# KiCad board first_keyboard.kicad_pcb (continued)
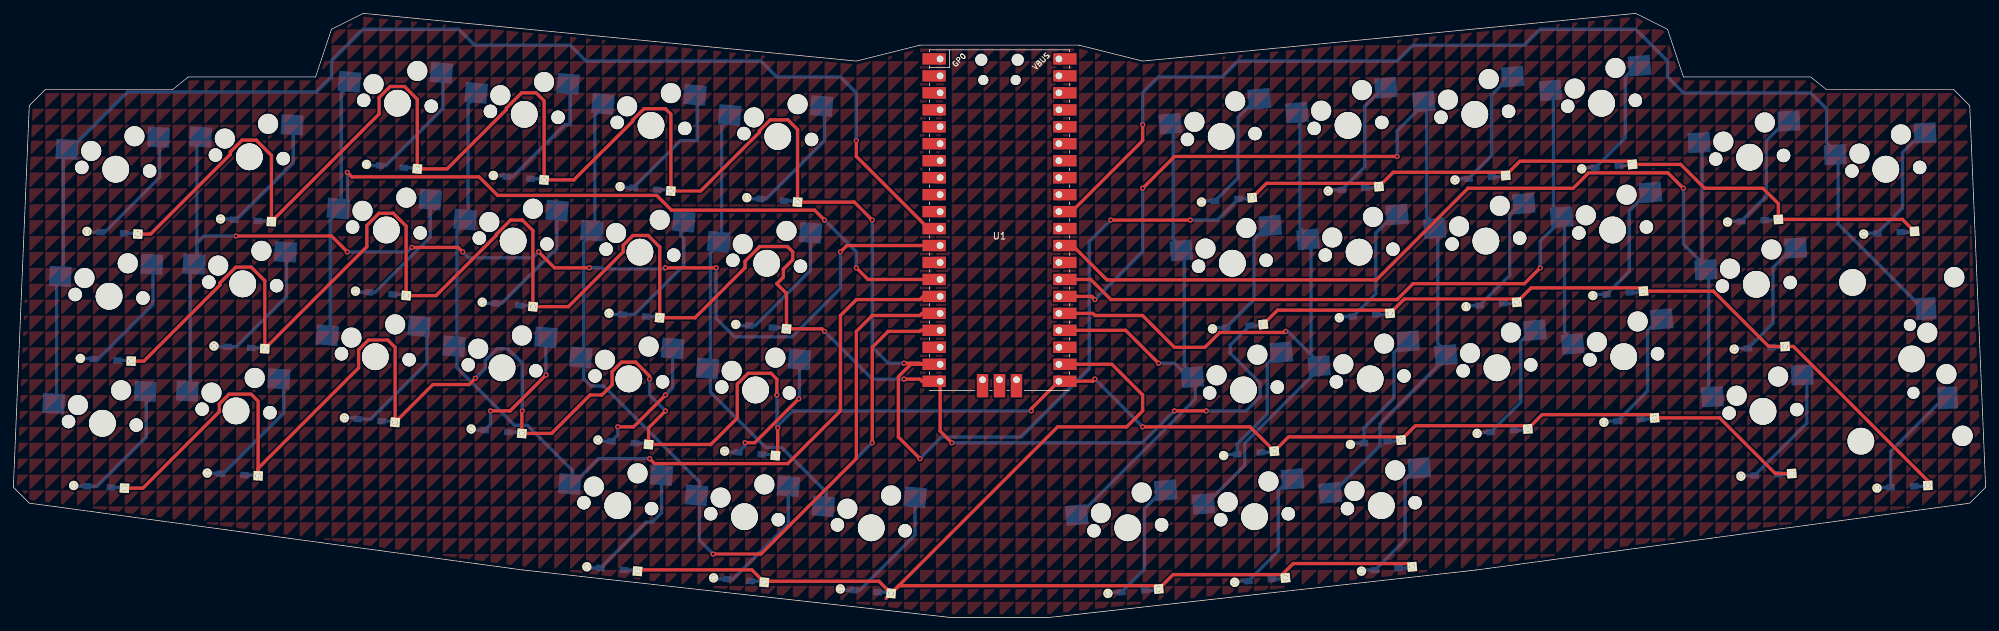
[diagram p0: board, top side]
## Copper pours and planes (outline as drawn; the poured copper is in the pictures) (continued)
(no net) on Top, Bottom: 261.94,138.11 261.94,135.73 264.32,138.11
(no net) on Top, Bottom: 192.88,7.14 192.88,4.76 195.26,7.14
(no net) on Top, Bottom: 145.26,33.34 145.26,30.96 147.64,33.34
(no net) on Top, Bottom: 14.29,14.29 14.29,11.91 16.67,14.29
(no net) on Top, Bottom: 259.56,2.38 259.56,0 261.94,2.38
(no net) on Top, Bottom: 92.87,92.87 92.87,90.49 95.25,92.87
(no net) on Top, Bottom: 85.73,-23.81 85.73,-26.19 88.11,-23.81
(no net) on Top, Bottom: 73.82,-14.29 73.82,-16.67 76.2,-14.29
(no net) on Top, Bottom: 16.67,52.39 16.67,50.01 19.05,52.39
(no net) on Top, Bottom: 223.84,-4.76 223.84,-7.14 226.22,-4.76
(no net) on Top, Bottom: 219.07,7.14 219.07,4.76 221.46,7.14
(no net) on Top, Bottom: 290.51,123.83 290.51,121.44 292.89,123.83
(no net) on Top, Bottom: 54.77,4.76 54.77,2.38 57.15,4.76
(no net) on Top, Bottom: 219.07,-16.67 219.07,-19.05 221.46,-16.67
(no net) on Top, Bottom: 59.53,130.97 59.53,128.59 61.91,130.97
(no net) on Top, Bottom: 295.27,145.26 295.27,142.88 297.66,145.26
(no net) on Top, Bottom: 171.45,-28.57 171.45,-30.96 173.83,-28.57
(no net) on Top, Bottom: 247.65,-9.53 247.65,-11.91 250.03,-9.53
(no net) on Top, Bottom: 145.26,102.39 145.26,100.01 147.64,102.39
(no net) on Top, Bottom: 250.03,116.68 250.03,114.3 252.41,116.68
(no net) on Top, Bottom: 269.08,-4.76 269.08,-7.14 271.46,-4.76
(no net) on Top, Bottom: 35.72,47.62 35.72,45.24 38.1,47.62
(no net) on Top, Bottom: 133.35,80.96 133.35,78.58 135.73,80.96
(no net) on Top, Bottom: 142.88,57.15 142.88,54.77 145.26,57.15
(no net) on Top, Bottom: 42.86,-38.1 42.86,-40.48 45.24,-38.1
(no net) on Top, Bottom: 164.31,23.81 164.31,21.43 166.69,23.81
(no net) on Top, Bottom: 280.99,71.44 280.99,69.06 283.37,71.44
(no net) on Top, Bottom: 152.4,57.15 152.4,54.77 154.78,57.15
(no net) on Top, Bottom: 126.21,-33.34 126.21,-35.72 128.59,-33.34
(no net) on Top, Bottom: 261.94,104.78 261.94,102.39 264.32,104.78
(no net) on Top, Bottom: 114.3,47.62 114.3,45.24 116.68,47.62
(no net) on Top, Bottom: 95.25,85.72 95.25,83.34 97.63,85.72
(no net) on Top, Bottom: 66.67,111.92 66.67,109.54 69.06,111.92
(no net) on Top, Bottom: 9.53,-9.53 9.53,-11.91 11.91,-9.53
(no net) on Top, Bottom: 35.72,111.92 35.72,109.54 38.1,111.92
(no net) on Top, Bottom: 90.49,135.73 90.49,133.35 92.87,135.73
(no net) on Top, Bottom: 73.82,123.83 73.82,121.44 76.2,123.83
(no net) on Top, Bottom: 38.1,88.11 38.1,85.72 40.48,88.11
(no net) on Top, Bottom: 300.04,126.21 300.04,123.83 302.42,126.21
(no net) on Top, Bottom: 159.54,71.44 159.54,69.06 161.93,71.44
(no net) on Top, Bottom: 130.97,66.68 130.97,64.29 133.35,66.68
(no net) on Top, Bottom: 295.27,71.44 295.27,69.06 297.66,71.44
(no net) on Top, Bottom: 285.75,14.29 285.75,11.91 288.13,14.29
(no net) on Top, Bottom: 271.46,80.96 271.46,78.58 273.84,80.96
(no net) on Top, Bottom: 223.84,52.39 223.84,50.01 226.22,52.39
(no net) on Top, Bottom: 302.42,83.34 302.42,80.96 304.8,83.34
(no net) on Top, Bottom: 21.43,66.68 21.43,64.29 23.81,66.68
(no net) on Top, Bottom: 302.42,104.78 302.42,102.39 304.8,104.78
(no net) on Top, Bottom: 64.29,-21.43 64.29,-23.81 66.67,-21.43
(no net) on Top, Bottom: 200.02,7.14 200.02,4.76 202.41,7.14
(no net) on Top, Bottom: 114.3,121.44 114.3,119.06 116.68,121.44
(no net) on Top, Bottom: 145.26,7.14 145.26,4.76 147.64,7.14
(no net) on Top, Bottom: 269.08,4.76 269.08,2.38 271.46,4.76
(no net) on Top, Bottom: 280.99,2.38 280.99,0 283.37,2.38
(no net) on Top, Bottom: 119.06,11.91 119.06,9.53 121.44,11.91
(no net) on Top, Bottom: 195.26,66.68 195.26,64.29 197.64,66.68
(no net) on Top, Bottom: 142.88,123.83 142.88,121.44 145.26,123.83
(no net) on Top, Bottom: 57.15,90.49 57.15,88.11 59.53,90.49
(no net) on Top, Bottom: 111.92,116.68 111.92,114.3 114.3,116.68
(no net) on Top, Bottom: 16.67,21.43 16.67,19.05 19.05,21.43
(no net) on Top, Bottom: 200.02,-38.1 200.02,-40.48 202.41,-38.1
(no net) on Top, Bottom: 133.35,47.62 133.35,45.24 135.73,47.62
(no net) on Top, Bottom: 211.93,85.72 211.93,83.34 214.31,85.72
(no net) on Top, Bottom: 145.26,-33.34 145.26,-35.72 147.64,-33.34
(no net) on Top, Bottom: 97.63,80.96 97.63,78.58 100.01,80.96
(no net) on Top, Bottom: 73.82,90.49 73.82,88.11 76.2,90.49
(no net) on Top, Bottom: 83.34,150.02 83.34,147.64 85.73,150.02
(no net) on Top, Bottom: 102.39,-9.53 102.39,-11.91 104.77,-9.53
(no net) on Top, Bottom: 242.89,7.14 242.89,4.76 245.27,7.14
(no net) on Top, Bottom: 216.69,128.59 216.69,126.21 219.07,128.59
(no net) on Top, Bottom: 100.01,95.25 100.01,92.87 102.39,95.25
(no net) on Top, Bottom: 4.76,-30.96 4.76,-33.34 7.14,-30.96
(no net) on Top, Bottom: 226.22,0 226.22,-2.38 228.6,0
(no net) on Top, Bottom: 292.89,104.78 292.89,102.39 295.27,104.78
(no net) on Top, Bottom: 283.37,-30.96 283.37,-33.34 285.75,-30.96
(no net) on Top, Bottom: 195.26,-4.76 195.26,-7.14 197.64,-4.76
(no net) on Top, Bottom: 209.55,26.19 209.55,23.81 211.93,26.19
(no net) on Top, Bottom: 114.3,147.64 114.3,145.26 116.68,147.64
(no net) on Top, Bottom: 128.59,23.81 128.59,21.43 130.97,23.81
(no net) on Top, Bottom: 245.27,130.97 245.27,128.59 247.65,130.97
(no net) on Top, Bottom: 233.36,-21.43 233.36,-23.81 235.74,-21.43
(no net) on Top, Bottom: 292.89,26.19 292.89,23.81 295.27,26.19
(no net) on Top, Bottom: 130.97,26.19 130.97,23.81 133.35,26.19
(no net) on Top, Bottom: 66.67,-30.96 66.67,-33.34 69.06,-30.96
(no net) on Top, Bottom: 42.86,69.06 42.86,66.68 45.24,69.06
(no net) on Top, Bottom: 2.38,-35.72 2.38,-38.1 4.76,-35.72
(no net) on Top, Bottom: 238.12,111.92 238.12,109.54 240.51,111.92
(no net) on Top, Bottom: 90.49,130.97 90.49,128.59 92.87,130.97
(no net) on Top, Bottom: 259.56,61.91 259.56,59.53 261.94,61.91
(no net) on Top, Bottom: 261.94,16.67 261.94,14.29 264.32,16.67
(no net) on Top, Bottom: 233.36,4.76 233.36,2.38 235.74,4.76
(no net) on Top, Bottom: 276.22,28.57 276.22,26.19 278.61,28.57
(no net) on Top, Bottom: 195.26,61.91 195.26,59.53 197.64,61.91
(no net) on Top, Bottom: 138.11,-11.91 138.11,-14.29 140.49,-11.91
(no net) on Top, Bottom: 150.02,-9.53 150.02,-11.91 152.4,-9.53
(no net) on Top, Bottom: 271.46,4.76 271.46,2.38 273.84,4.76
(no net) on Top, Bottom: 197.64,42.86 197.64,40.48 200.02,42.86
(no net) on Top, Bottom: 126.21,138.11 126.21,135.73 128.59,138.11
(no net) on Top, Bottom: 142.88,47.62 142.88,45.24 145.26,47.62
(no net) on Top, Bottom: 28.58,28.57 28.58,26.19 30.96,28.57
(no net) on Top, Bottom: 266.7,57.15 266.7,54.77 269.08,57.15
(no net) on Top, Bottom: 164.31,0 164.31,-2.38 166.69,0
(no net) on Top, Bottom: 164.31,128.59 164.31,126.21 166.69,128.59
(no net) on Top, Bottom: 123.83,109.54 123.83,107.16 126.21,109.54
(no net) on Top, Bottom: 221.46,19.05 221.46,16.67 223.84,19.05
(no net) on Top, Bottom: 119.06,47.62 119.06,45.24 121.44,47.62
(no net) on Top, Bottom: 171.45,-9.53 171.45,-11.91 173.83,-9.53
(no net) on Top, Bottom: 254.79,142.88 254.79,140.49 257.18,142.88
(no net) on Top, Bottom: 59.53,97.63 59.53,95.25 61.91,97.63
(no net) on Top, Bottom: 238.12,7.14 238.12,4.76 240.51,7.14
(no net) on Top, Bottom: 257.18,64.29 257.18,61.91 259.56,64.29
(no net) on Top, Bottom: 59.53,28.57 59.53,26.19 61.91,28.57
(no net) on Top, Bottom: 83.34,47.62 83.34,45.24 85.73,47.62
(no net) on Top, Bottom: 238.12,92.87 238.12,90.49 240.51,92.87
(no net) on Top, Bottom: 269.08,47.62 269.08,45.24 271.46,47.62
(no net) on Top, Bottom: 104.77,9.53 104.77,7.14 107.16,9.53
(no net) on Top, Bottom: 152.4,145.26 152.4,142.88 154.78,145.26
(no net) on Top, Bottom: 283.37,116.68 283.37,114.3 285.75,116.68
(no net) on Top, Bottom: 19.05,-28.57 19.05,-30.96 21.43,-28.57
(no net) on Top, Bottom: 45.24,66.68 45.24,64.29 47.62,66.68
(no net) on Top, Bottom: 28.58,64.29 28.58,61.91 30.96,64.29
(no net) on Top, Bottom: 216.69,140.49 216.69,138.11 219.07,140.49
(no net) on Top, Bottom: 90.49,119.06 90.49,116.68 92.87,119.06
(no net) on Top, Bottom: 30.96,85.72 30.96,83.34 33.34,85.72
(no net) on Top, Bottom: 97.63,128.59 97.63,126.21 100.01,128.59
(no net) on Top, Bottom: 66.67,35.72 66.67,33.34 69.06,35.72
(no net) on Top, Bottom: 297.66,97.63 297.66,95.25 300.04,97.63
(no net) on Top, Bottom: 138.11,78.58 138.11,76.2 140.49,78.58
(no net) on Top, Bottom: 202.41,142.88 202.41,140.49 204.79,142.88
(no net) on Top, Bottom: 209.55,-2.38 209.55,-4.76 211.93,-2.38
(no net) on Top, Bottom: 285.75,128.59 285.75,126.21 288.13,128.59
(no net) on Top, Bottom: 26.19,90.49 26.19,88.11 28.58,90.49
(no net) on Top, Bottom: 80.96,121.44 80.96,119.06 83.34,121.44
(no net) on Top, Bottom: 283.37,76.2 283.37,73.82 285.75,76.2
(no net) on Top, Bottom: 211.93,111.92 211.93,109.54 214.31,111.92
(no net) on Top, Bottom: 140.49,2.38 140.49,0 142.88,2.38
(no net) on Top, Bottom: 233.36,40.48 233.36,38.1 235.74,40.48
(no net) on Top, Bottom: 245.27,78.58 245.27,76.2 247.65,78.58
(no net) on Top, Bottom: 204.79,61.91 204.79,59.53 207.17,61.91
(no net) on Top, Bottom: 238.12,38.1 238.12,35.72 240.51,38.1
(no net) on Top, Bottom: 180.98,7.14 180.98,4.76 183.36,7.14
(no net) on Top, Bottom: 7.14,57.15 7.14,54.77 9.53,57.15
(no net) on Top, Bottom: 297.66,16.67 297.66,14.29 300.04,16.67
(no net) on Top, Bottom: 261.94,80.96 261.94,78.58 264.32,80.96
(no net) on Top, Bottom: 47.62,133.35 47.62,130.97 50.01,133.35
(no net) on Top, Bottom: 102.39,138.11 102.39,135.73 104.77,138.11
(no net) on Top, Bottom: 276.22,111.92 276.22,109.54 278.61,111.92
(no net) on Top, Bottom: 11.91,-38.1 11.91,-40.48 14.29,-38.1
(no net) on Top, Bottom: 80.96,107.16 80.96,104.78 83.34,107.16
(no net) on Top, Bottom: 273.84,80.96 273.84,78.58 276.22,80.96
(no net) on Top, Bottom: 4.76,-4.76 4.76,-7.14 7.14,-4.76
(no net) on Top, Bottom: 173.83,54.77 173.83,52.39 176.21,54.77
(no net) on Top, Bottom: 166.69,150.02 166.69,147.64 169.07,150.02
(no net) on Top, Bottom: 171.45,66.68 171.45,64.29 173.83,66.68
(no net) on Top, Bottom: 188.12,-28.57 188.12,-30.96 190.5,-28.57
(no net) on Top, Bottom: 135.73,66.68 135.73,64.29 138.11,66.68
(no net) on Top, Bottom: 33.34,57.15 33.34,54.77 35.72,57.15
(no net) on Top, Bottom: 204.79,45.24 204.79,42.86 207.17,45.24
(no net) on Top, Bottom: 300.04,64.29 300.04,61.91 302.42,64.29
(no net) on Top, Bottom: 45.24,92.87 45.24,90.49 47.62,92.87
(no net) on Top, Bottom: 45.24,54.77 45.24,52.39 47.62,54.77
(no net) on Top, Bottom: 190.5,-11.91 190.5,-14.29 192.88,-11.91
(no net) on Top, Bottom: 209.55,107.16 209.55,104.78 211.93,107.16
(no net) on Top, Bottom: 171.45,-35.72 171.45,-38.1 173.83,-35.72
(no net) on Top, Bottom: 123.83,64.29 123.83,61.91 126.21,64.29
(no net) on Top, Bottom: 157.16,-28.57 157.16,-30.96 159.54,-28.57
(no net) on Top, Bottom: 85.73,21.43 85.73,19.05 88.11,21.43
(no net) on Top, Bottom: 19.05,2.38 19.05,0 21.43,2.38
(no net) on Top, Bottom: 242.89,123.83 242.89,121.44 245.27,123.83
(no net) on Top, Bottom: 54.77,150.02 54.77,147.64 57.15,150.02
(no net) on Top, Bottom: 64.29,128.59 64.29,126.21 66.67,128.59
(no net) on Top, Bottom: 252.41,-23.81 252.41,-26.19 254.79,-23.81
(no net) on Top, Bottom: 159.54,100.01 159.54,97.63 161.93,100.01
(no net) on Top, Bottom: 57.15,107.16 57.15,104.78 59.53,107.16
(no net) on Top, Bottom: 216.69,2.38 216.69,0 219.07,2.38
(no net) on Top, Bottom: 90.49,14.29 90.49,11.91 92.87,14.29
(no net) on Top, Bottom: 247.65,-28.57 247.65,-30.96 250.03,-28.57
(no net) on Top, Bottom: 200.02,76.2 200.02,73.82 202.41,76.2
(no net) on Top, Bottom: 40.48,95.25 40.48,92.87 42.86,95.25
(no net) on Top, Bottom: 245.27,100.01 245.27,97.63 247.65,100.01
(no net) on Top, Bottom: 90.49,28.57 90.49,26.19 92.87,28.57
(no net) on Top, Bottom: 223.84,-21.43 223.84,-23.81 226.22,-21.43
(no net) on Top, Bottom: 33.34,35.72 33.34,33.34 35.72,35.72
(no net) on Top, Bottom: 95.25,7.14 95.25,4.76 97.63,7.14
(no net) on Top, Bottom: 19.05,-35.72 19.05,-38.1 21.43,-35.72
(no net) on Top, Bottom: 202.41,-2.38 202.41,-4.76 204.79,-2.38
(no net) on Top, Bottom: 176.21,11.91 176.21,9.53 178.59,11.91
(no net) on Top, Bottom: 152.4,71.44 152.4,69.06 154.78,71.44
(no net) on Top, Bottom: 247.65,73.82 247.65,71.44 250.03,73.82
(no net) on Top, Bottom: 295.27,23.81 295.27,21.43 297.66,23.81
(no net) on Top, Bottom: 288.13,30.96 288.13,28.57 290.51,30.96
(no net) on Top, Bottom: 21.43,54.77 21.43,52.39 23.81,54.77
(no net) on Top, Bottom: 30.96,19.05 30.96,16.67 33.34,19.05
(no net) on Top, Bottom: 45.24,109.54 45.24,107.16 47.62,109.54
(no net) on Top, Bottom: 233.36,-2.38 233.36,-4.76 235.74,-2.38
(no net) on Top, Bottom: 126.21,76.2 126.21,73.82 128.59,76.2
(no net) on Top, Bottom: 88.11,40.48 88.11,38.1 90.49,40.48
(no net) on Top, Bottom: 85.73,109.54 85.73,107.16 88.11,109.54
(no net) on Top, Bottom: 88.11,-7.14 88.11,-9.53 90.49,-7.14
(no net) on Top, Bottom: 252.41,47.62 252.41,45.24 254.79,47.62
(no net) on Top, Bottom: 40.48,14.29 40.48,11.91 42.86,14.29
(no net) on Top, Bottom: 35.72,73.82 35.72,71.44 38.1,73.82
(no net) on Top, Bottom: 30.96,-23.81 30.96,-26.19 33.34,-23.81
(no net) on Top, Bottom: 295.27,61.91 295.27,59.53 297.66,61.91
(no net) on Top, Bottom: 16.67,88.11 16.67,85.72 19.05,88.11
(no net) on Top, Bottom: 54.77,-35.72 54.77,-38.1 57.15,-35.72
(no net) on Top, Bottom: 209.55,-4.76 209.55,-7.14 211.93,-4.76
(no net) on Top, Bottom: 19.05,38.1 19.05,35.72 21.43,38.1
(no net) on Top, Bottom: 152.4,7.14 152.4,4.76 154.78,7.14
(no net) on Top, Bottom: 295.27,69.06 295.27,66.68 297.66,69.06
(no net) on Top, Bottom: 35.72,76.2 35.72,73.82 38.1,76.2
(no net) on Top, Bottom: 202.41,-14.29 202.41,-16.67 204.79,-14.29
(no net) on Top, Bottom: 161.93,88.11 161.93,85.72 164.31,88.11
(no net) on Top, Bottom: 264.32,61.91 264.32,59.53 266.7,61.91
(no net) on Top, Bottom: 102.39,100.01 102.39,97.63 104.77,100.01
(no net) on Top, Bottom: 66.67,-28.57 66.67,-30.96 69.06,-28.57
(no net) on Top, Bottom: 100.01,35.72 100.01,33.34 102.39,35.72
(no net) on Top, Bottom: 111.92,4.76 111.92,2.38 114.3,4.76
(no net) on Top, Bottom: 126.21,19.05 126.21,16.67 128.59,19.05
(no net) on Top, Bottom: 54.77,92.87 54.77,90.49 57.15,92.87
(no net) on Top, Bottom: 269.08,50.01 269.08,47.62 271.46,50.01
(no net) on Top, Bottom: 261.94,57.15 261.94,54.77 264.32,57.15
(no net) on Top, Bottom: 302.42,133.35 302.42,130.97 304.8,133.35
(no net) on Top, Bottom: 161.93,-7.14 161.93,-9.53 164.31,-7.14
(no net) on Top, Bottom: 40.48,78.58 40.48,76.2 42.86,78.58
(no net) on Top, Bottom: 114.3,21.43 114.3,19.05 116.68,21.43
(no net) on Top, Bottom: 157.16,130.97 157.16,128.59 159.54,130.97
(no net) on Top, Bottom: 107.16,76.2 107.16,73.82 109.54,76.2
(no net) on Top, Bottom: 88.11,45.24 88.11,42.86 90.49,45.24
(no net) on Top, Bottom: 135.73,2.38 135.73,0 138.11,2.38
(no net) on Top, Bottom: 235.74,90.49 235.74,88.11 238.12,90.49
(no net) on Top, Bottom: 228.6,150.02 228.6,147.64 230.98,150.02
(no net) on Top, Bottom: 21.43,121.44 21.43,119.06 23.81,121.44
(no net) on Top, Bottom: 240.51,78.58 240.51,76.2 242.89,78.58
(no net) on Top, Bottom: 178.59,92.87 178.59,90.49 180.98,92.87
(no net) on Top, Bottom: 102.39,57.15 102.39,54.77 104.77,57.15
(no net) on Top, Bottom: 50.01,21.43 50.01,19.05 52.39,21.43
(no net) on Top, Bottom: 16.67,40.48 16.67,38.1 19.05,40.48
(no net) on Top, Bottom: 119.06,-33.34 119.06,-35.72 121.44,-33.34
(no net) on Top, Bottom: 202.41,19.05 202.41,16.67 204.79,19.05
(no net) on Top, Bottom: 273.84,-19.05 273.84,-21.43 276.22,-19.05
(no net) on Top, Bottom: 240.51,150.02 240.51,147.64 242.89,150.02
(no net) on Top, Bottom: 171.45,97.63 171.45,95.25 173.83,97.63
(no net) on Top, Bottom: 9.53,14.29 9.53,11.91 11.91,14.29
(no net) on Top, Bottom: 240.51,76.2 240.51,73.82 242.89,76.2
(no net) on Top, Bottom: 169.07,150.02 169.07,147.64 171.45,150.02
(no net) on Top, Bottom: 197.64,7.14 197.64,4.76 200.02,7.14
(no net) on Top, Bottom: 276.22,2.38 276.22,0 278.61,2.38
(no net) on Top, Bottom: 176.21,47.62 176.21,45.24 178.59,47.62
(no net) on Top, Bottom: 92.87,-21.43 92.87,-23.81 95.25,-21.43
(no net) on Top, Bottom: 59.53,135.73 59.53,133.35 61.91,135.73
(no net) on Top, Bottom: 285.75,33.34 285.75,30.96 288.13,33.34
(no net) on Top, Bottom: 140.49,128.59 140.49,126.21 142.88,128.59
(no net) on Top, Bottom: 126.21,7.14 126.21,4.76 128.59,7.14
(no net) on Top, Bottom: 11.91,38.1 11.91,35.72 14.29,38.1
(no net) on Top, Bottom: 38.1,35.72 38.1,33.34 40.48,35.72
(no net) on Top, Bottom: 211.93,121.44 211.93,119.06 214.31,121.44
(no net) on Top, Bottom: 61.91,-23.81 61.91,-26.19 64.29,-23.81
(no net) on Top, Bottom: 264.32,-9.53 264.32,-11.91 266.7,-9.53
(no net) on Top, Bottom: 204.79,80.96 204.79,78.58 207.17,80.96
(no net) on Top, Bottom: 164.31,50.01 164.31,47.62 166.69,50.01
(no net) on Top, Bottom: 304.8,33.34 304.8,30.96 307.18,33.34
(no net) on Top, Bottom: 283.37,71.44 283.37,69.06 285.75,71.44
(no net) on Top, Bottom: 230.98,-23.81 230.98,-26.19 233.36,-23.81
(no net) on Top, Bottom: 297.66,142.88 297.66,140.49 300.04,142.88
(no net) on Top, Bottom: 233.36,47.62 233.36,45.24 235.74,47.62
(no net) on Top, Bottom: 273.84,28.57 273.84,26.19 276.22,28.57
(no net) on Top, Bottom: 164.31,35.72 164.31,33.34 166.69,35.72
(no net) on Top, Bottom: 280.99,64.29 280.99,61.91 283.37,64.29
(no net) on Top, Bottom: 95.25,88.11 95.25,85.72 97.63,88.11
(no net) on Top, Bottom: 135.73,35.72 135.73,33.34 138.11,35.72
(no net) on Top, Bottom: 204.79,-19.05 204.79,-21.43 207.17,-19.05
(no net) on Top, Bottom: 30.96,95.25 30.96,92.87 33.34,95.25
(no net) on Top, Bottom: 169.07,50.01 169.07,47.62 171.45,50.01
(no net) on Top, Bottom: 147.64,102.39 147.64,100.01 150.02,102.39
(no net) on Top, Bottom: 150.02,140.49 150.02,138.11 152.4,140.49
(no net) on Top, Bottom: 292.89,45.24 292.89,42.86 295.27,45.24
(no net) on Top, Bottom: 61.91,66.68 61.91,64.29 64.29,66.68
(no net) on Top, Bottom: 204.79,-30.96 204.79,-33.34 207.17,-30.96
(no net) on Top, Bottom: 157.16,38.1 157.16,35.72 159.54,38.1
(no net) on Top, Bottom: 276.22,4.76 276.22,2.38 278.61,4.76
(no net) on Top, Bottom: 38.1,-14.29 38.1,-16.67 40.48,-14.29
(no net) on Top, Bottom: 159.54,130.97 159.54,128.59 161.93,130.97
(no net) on Top, Bottom: 133.35,-7.14 133.35,-9.53 135.73,-7.14
(no net) on Top, Bottom: 269.08,88.11 269.08,85.72 271.46,88.11
(no net) on Top, Bottom: 38.1,111.92 38.1,109.54 40.48,111.92
(no net) on Top, Bottom: 30.96,64.29 30.96,61.91 33.34,64.29
(no net) on Top, Bottom: 176.21,57.15 176.21,54.77 178.59,57.15
(no net) on Top, Bottom: 73.82,28.57 73.82,26.19 76.2,28.57
(no net) on Top, Bottom: 14.29,-21.43 14.29,-23.81 16.67,-21.43
(no net) on Top, Bottom: 11.91,92.87 11.91,90.49 14.29,92.87
(no net) on Top, Bottom: 235.74,21.43 235.74,19.05 238.12,21.43
(no net) on Top, Bottom: 204.79,-9.53 204.79,-11.91 207.17,-9.53
(no net) on Top, Bottom: 280.99,21.43 280.99,19.05 283.37,21.43
(no net) on Top, Bottom: 245.27,47.62 245.27,45.24 247.65,47.62
(no net) on Top, Bottom: 302.42,54.77 302.42,52.39 304.8,54.77
(no net) on Top, Bottom: 250.03,135.73 250.03,133.35 252.41,135.73
(no net) on Top, Bottom: 204.79,107.16 204.79,104.78 207.17,107.16
(no net) on Top, Bottom: 226.22,-28.57 226.22,-30.96 228.6,-28.57
(no net) on Top, Bottom: 130.97,-28.57 130.97,-30.96 133.35,-28.57
(no net) on Top, Bottom: 128.59,52.39 128.59,50.01 130.97,52.39
(no net) on Top, Bottom: 254.79,16.67 254.79,14.29 257.18,16.67
(no net) on Top, Bottom: 140.49,50.01 140.49,47.62 142.88,50.01
(no net) on Top, Bottom: 66.67,73.82 66.67,71.44 69.06,73.82
(no net) on Top, Bottom: 114.3,107.16 114.3,104.78 116.68,107.16
(no net) on Top, Bottom: 57.15,-4.76 57.15,-7.14 59.53,-4.76
(no net) on Top, Bottom: 40.48,47.62 40.48,45.24 42.86,47.62
(no net) on Top, Bottom: 121.44,38.1 121.44,35.72 123.83,38.1
(no net) on Top, Bottom: 200.02,71.44 200.02,69.06 202.41,71.44
(no net) on Top, Bottom: 209.55,138.11 209.55,135.73 211.93,138.11
(no net) on Top, Bottom: 73.82,54.77 73.82,52.39 76.2,54.77
(no net) on Top, Bottom: 197.64,-11.91 197.64,-14.29 200.02,-11.91
(no net) on Top, Bottom: 80.96,59.53 80.96,57.15 83.34,59.53
(no net) on Top, Bottom: 38.1,40.48 38.1,38.1 40.48,40.48
(no net) on Top, Bottom: 128.59,-28.57 128.59,-30.96 130.97,-28.57
(no net) on Top, Bottom: 95.25,83.34 95.25,80.96 97.63,83.34
(no net) on Top, Bottom: 295.27,111.92 295.27,109.54 297.66,111.92
(no net) on Top, Bottom: 42.86,71.44 42.86,69.06 45.24,71.44
(no net) on Top, Bottom: 228.6,-33.34 228.6,-35.72 230.98,-33.34
(no net) on Top, Bottom: 147.64,88.11 147.64,85.72 150.02,88.11
(no net) on Top, Bottom: 269.08,-7.14 269.08,-9.53 271.46,-7.14
(no net) on Top, Bottom: 33.34,52.39 33.34,50.01 35.72,52.39
(no net) on Top, Bottom: 200.02,80.96 200.02,78.58 202.41,80.96
(no net) on Top, Bottom: 161.93,21.43 161.93,19.05 164.31,21.43
(no net) on Top, Bottom: 128.59,116.68 128.59,114.3 130.97,116.68
(no net) on Top, Bottom: 269.08,133.35 269.08,130.97 271.46,133.35
(no net) on Top, Bottom: 145.26,-9.53 145.26,-11.91 147.64,-9.53
(no net) on Top, Bottom: 102.39,88.11 102.39,85.72 104.77,88.11
(no net) on Top, Bottom: 121.44,7.14 121.44,4.76 123.83,7.14
(no net) on Top, Bottom: 97.63,88.11 97.63,85.72 100.01,88.11
(no net) on Top, Bottom: 214.31,0 214.31,-2.38 216.69,0
(no net) on Top, Bottom: 295.27,100.01 295.27,97.63 297.66,100.01
(no net) on Top, Bottom: 273.84,133.35 273.84,130.97 276.22,133.35
(no net) on Top, Bottom: 264.32,59.53 264.32,57.15 266.7,59.53
(no net) on Top, Bottom: 111.92,147.64 111.92,145.26 114.3,147.64
(no net) on Top, Bottom: 190.5,9.53 190.5,7.14 192.88,9.53
(no net) on Top, Bottom: 142.88,114.3 142.88,111.92 145.26,114.3
(no net) on Top, Bottom: 90.49,42.86 90.49,40.48 92.87,42.86
(no net) on Top, Bottom: 92.87,126.21 92.87,123.83 95.25,126.21
(no net) on Top, Bottom: 273.84,83.34 273.84,80.96 276.22,83.34
(no net) on Top, Bottom: 138.11,90.49 138.11,88.11 140.49,90.49
(no net) on Top, Bottom: 169.07,114.3 169.07,111.92 171.45,114.3
(no net) on Top, Bottom: 16.67,-28.57 16.67,-30.96 19.05,-28.57
(no net) on Top, Bottom: 240.51,88.11 240.51,85.72 242.89,88.11
(no net) on Top, Bottom: 180.98,73.82 180.98,71.44 183.36,73.82
(no net) on Top, Bottom: 26.19,-2.38 26.19,-4.76 28.58,-2.38
(no net) on Top, Bottom: 247.65,78.58 247.65,76.2 250.03,78.58
(no net) on Top, Bottom: 190.5,21.43 190.5,19.05 192.88,21.43
(no net) on Top, Bottom: 211.93,-38.1 211.93,-40.48 214.31,-38.1
(no net) on Top, Bottom: 128.59,150.02 128.59,147.64 130.97,150.02
(no net) on Top, Bottom: 280.99,140.49 280.99,138.11 283.37,140.49
(no net) on Top, Bottom: 9.53,-14.29 9.53,-16.67 11.91,-14.29
(no net) on Top, Bottom: 242.89,102.39 242.89,100.01 245.27,102.39
(no net) on Top, Bottom: 257.18,23.81 257.18,21.43 259.56,23.81
(no net) on Top, Bottom: 283.37,-2.38 283.37,-4.76 285.75,-2.38
(no net) on Top, Bottom: 52.39,71.44 52.39,69.06 54.77,71.44
(no net) on Top, Bottom: 280.99,52.39 280.99,50.01 283.37,52.39
(no net) on Top, Bottom: 185.74,7.14 185.74,4.76 188.12,7.14
(no net) on Top, Bottom: 159.54,66.68 159.54,64.29 161.93,66.68
(no net) on Top, Bottom: 242.89,61.91 242.89,59.53 245.27,61.91
(no net) on Top, Bottom: 276.22,14.29 276.22,11.91 278.61,14.29
(no net) on Top, Bottom: 297.66,128.59 297.66,126.21 300.04,128.59
(no net) on Top, Bottom: 0,40.48 0,38.1 2.38,40.48
(no net) on Top, Bottom: 126.21,-23.81 126.21,-26.19 128.59,-23.81
(no net) on Top, Bottom: 159.54,-9.53 159.54,-11.91 161.93,-9.53
(no net) on Top, Bottom: 61.91,64.29 61.91,61.91 64.29,64.29
(no net) on Top, Bottom: 252.41,-33.34 252.41,-35.72 254.79,-33.34
(no net) on Top, Bottom: 250.03,14.29 250.03,11.91 252.41,14.29
(no net) on Top, Bottom: 254.79,-11.91 254.79,-14.29 257.18,-11.91
(no net) on Top, Bottom: 54.77,-21.43 54.77,-23.81 57.15,-21.43
(no net) on Top, Bottom: 254.79,54.77 254.79,52.39 257.18,54.77
(no net) on Top, Bottom: 292.89,90.49 292.89,88.11 295.27,90.49
(no net) on Top, Bottom: 90.49,-30.96 90.49,-33.34 92.87,-30.96
(no net) on Top, Bottom: 173.83,88.11 173.83,85.72 176.21,88.11
(no net) on Top, Bottom: 50.01,-9.53 50.01,-11.91 52.39,-9.53
(no net) on Top, Bottom: 252.41,7.14 252.41,4.76 254.79,7.14
(no net) on Top, Bottom: 42.86,119.06 42.86,116.68 45.24,119.06
(no net) on Top, Bottom: 161.93,52.39 161.93,50.01 164.31,52.39
(no net) on Top, Bottom: 228.6,40.48 228.6,38.1 230.98,40.48
(no net) on Top, Bottom: 240.51,0 240.51,-2.38 242.89,0
(no net) on Top, Bottom: 128.59,-26.19 128.59,-28.57 130.97,-26.19
(no net) on Top, Bottom: 304.8,97.63 304.8,95.25 307.18,97.63
(no net) on Top, Bottom: 114.3,138.11 114.3,135.73 116.68,138.11
(no net) on Top, Bottom: 216.69,73.82 216.69,71.44 219.07,73.82
(no net) on Top, Bottom: 200.02,2.38 200.02,0 202.41,2.38
(no net) on Top, Bottom: 64.29,33.34 64.29,30.96 66.67,33.34
(no net) on Top, Bottom: 59.53,-14.29 59.53,-16.67 61.91,-14.29
(no net) on Top, Bottom: 42.86,114.3 42.86,111.92 45.24,114.3
(no net) on Top, Bottom: 19.05,-19.05 19.05,-21.43 21.43,-19.05
(no net) on Top, Bottom: 59.53,45.24 59.53,42.86 61.91,45.24
(no net) on Top, Bottom: 45.24,11.91 45.24,9.53 47.62,11.91
(no net) on Top, Bottom: 242.89,23.81 242.89,21.43 245.27,23.81
(no net) on Top, Bottom: 119.06,4.76 119.06,2.38 121.44,4.76
(no net) on Top, Bottom: 64.29,9.53 64.29,7.14 66.67,9.53
